# Altium PCB MCU063B_PCB.PcbDoc (part 8 of 9)
Units mil, origin at the board's own origin, x right, y up, seen from the top; angles counter-clockwise.
Board outline 4165.01 x 2371.03 mil, 10 copper layers (Top Layer, Internal Plane 2, Signal Layer 3, Signal Layer 4, Internal Plane 5, Internal Plane 6, Signal Layer 7, Signal Layer 8, Internal Plane 9, Bottom), stack 59.9 mil thick; 440 components, 394 nets, 1760 pads, 1251 vias.
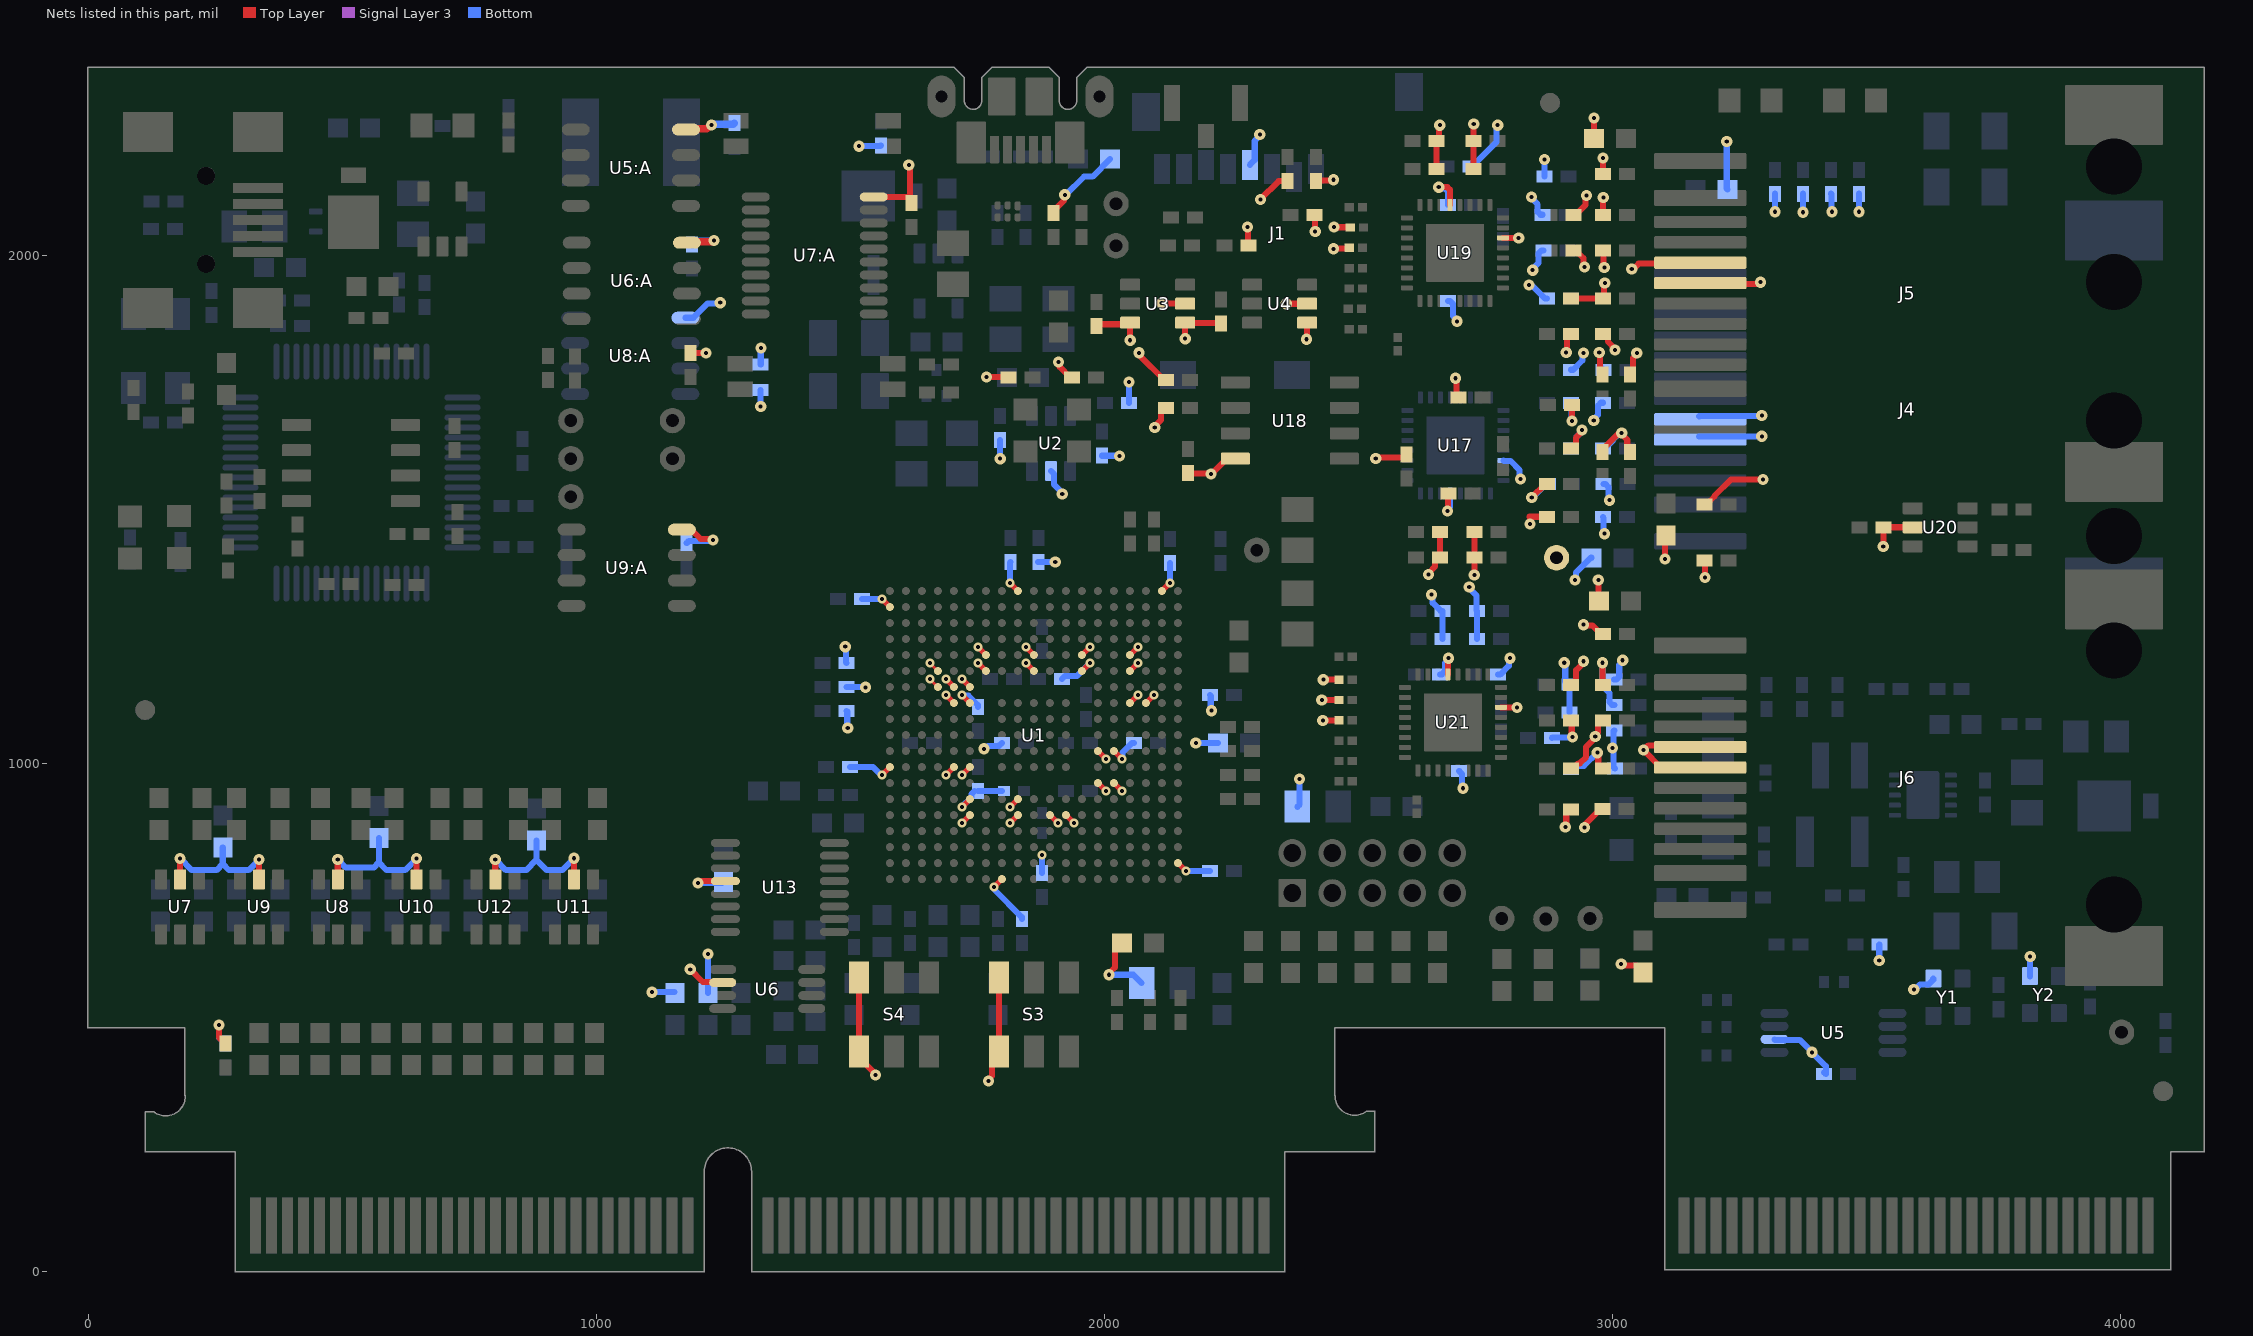
[diagram p16: the nets of this part, all layers, seen from the top]

## Via types
v1: diameter 22, hole 8, Top Layer to Bottom, tented both sides, 895 vias
v2: diameter 18, hole 8, Top Layer to Bottom, tented both sides, 334 vias
v3: diameter 19.68, hole 7.87, Top Layer to Bottom, tented both sides, 19 vias
v4: diameter 18, hole 7.87, Top Layer to Bottom, tented both sides, 1 vias
v5: diameter 18/18/18/18/18/18 (per signal layer), hole 8, Top Layer to Bottom, tented both sides, 1 vias
v6: diameter 22/22/22/22/22/22 (per signal layer), hole 8, Top Layer to Bottom, tented both sides, 1 vias

## Nets (pads, with @x,y where several pads share a name; then routed paths per layer and width w, separated by ;. In a path a pad name is that pad's centre, name@x,y a point inside that pad or via, vN(x,y) a via of type N, cw(c..) or ccw(c..) an arc to the next point about the centre after c; other vN are vias at no path point) (continued)
VDD_3V3: C1.1 C2.1 C4.1 C6.1 C7.1 C21:A.1 C23:A.1 C24:A.2 C26:A.1 C28:A.1 C53.2 C65.1 C66.1 C67.1 C68.1 C69.1 C70.1 C71.1 C72.1 C73.1 C74.1 C75.1 C76.1 C77.1 C78.1 C79.1 C80.1 C87.1 C88.1 C89.1 C90.1 C91.1 C92.1 C93.1 C94.1 C95.1 C96.1 C97.2 C98.2 C99.2 C100.2 C101.1 C102.1 C104.1 C105.1 C106.1 C107.1 C108.1 C109.1 C110.1 C111.1 C112.1 C113.1 C114.2 C115.1 C116.2 C117.2 C118.2 C119.1 C120.1 C122.1 C123.1 C124.1 C125.1 C126.1 C127.1 C128.1 C129.1 C130.1 C131.1 C132.2 C133.2 C134.1 C135.2 C136.2 C137.1 C138.1 J1.4 J4.5 J4.6 J5.5 J5.6 J6.5 J6.6 L3.2 R1.2 R2.1 R9.1 R10.1 R11.2 R12.2 R13.2 R14.2 R15:A.2 R20.2 R26.2 R31.1 R32.2 R44.1 R104.1 R107.2 R108.2 R110.2 R111.2 R112.1 R113.2 R114.2 R115.2 R116.1 R117.1 R118.2 R119.2 R120.2 R121.2 R122.2 R123.2 R125.2 R126.2 R127.1 R128.2 R129.1 R130.1 R137.2 R138.1 R139.2 R140.2 R141.2 R142.1 R145.2 R146.2 R147.2 R149.2 R150.2 R151.2 R152.1 R153.1 R154.1 R160.2 R161.1 TP8.1 U1.A9 U1.A18 U1.B1 U1.E7 U1.E10 U1.E13 U1.E16 U1.F4 U1.F7 U1.F10 U1.F13 U1.F16 U1.G4 U1.G5 U1.G6 U1.H5 U1.H6 U1.H16 U1.H17 U1.L14 U1.L15 U1.M1 U1.M5 U1.M6 U1.N14 U1.N15 U1.P9 U1.R9 U1.R11 U1.R12 U1.V19 U1.W8 U2.5 U3.3 U3.4 U3.5 U4.4 U4.5 U5.6 U5:A.8 U6:A.8 U7:A.20 U8:A.1 U9:A.8 U17.14 U17.21 U18.8 U19.14 U19.21 U20.5 U21.14 U21.21 Y1.4 Y2.4 | length 8904.9
  Top Layer w6.25: v2(1656.7,1166.34) U1.G4@1672.44,1150.59 ; v2(1656.7,1197.83) U1.F4@1672.44,1182.08
  Top Layer w10: v2(1562.21,977.36) U1.M1@1577.96,993.11 ; v2(1562.21,1323.82) U1.B1@1577.96,1308.07 ; v2(1688.19,977.36) U1.M5@1703.94,993.11 ; v2(1688.19,1134.84) U1.H5@1703.94,1119.09 ; v2(1688.19,1166.34) U1.G5@1703.94,1150.59 ; v2(1719.69,977.36) U1.M6@1735.44,993.11 ; v2(1719.69,1134.84) U1.H6@1735.44,1119.09 ; v2(1719.69,1166.34) U1.G6@1735.44,1150.59 ; v2(1751.18,1197.83) U1.F7@1766.93,1182.08 ; v2(1751.18,1229.33) U1.E7@1766.93,1213.58 ; v2(1782.68,756.89) U1.W8@1798.43,772.63 ; v2(1814.18,882.87) U1.R9@1829.92,898.62 ; v2(1814.18,914.37) U1.P9@1829.92,930.12 ; v2(1814.18,1355.31) U1.A9@1829.92,1339.56 ; v2(1845.67,1197.83) U1.F10@1861.42,1182.08 ; v2(1845.67,1229.33) U1.E10@1861.42,1213.58 ; U1.R11@1892.92,898.62 v2(1908.66,882.87) ; U1.R12@1924.41,898.62 v2(1940.16,882.87) ; U1.F13@1955.91,1182.08 v2(1971.66,1197.83) ; U1.E13@1955.91,1213.58 v2(1971.66,1229.33) ; U1.N14@1987.4,961.61 v2(2003.15,945.86) ; U1.L14@1987.4,1024.6 v2(2003.15,1008.86) ; U1.N15@2018.9,961.61 v2(2034.65,945.86) ; U1.L15@2018.9,1024.6 v2(2034.65,1008.86) ; U1.H16@2050.4,1119.09 v2(2066.14,1134.84) ; U1.F16@2050.4,1182.08 v2(2066.14,1197.83) ; U1.E16@2050.4,1213.58 v2(2066.14,1229.33) ; U1.H17@2081.89,1119.09 v2(2097.64,1134.84) ; U1.V19@2144.88,804.13 v2(2160.63,788.38)
  Top Layer w12: v1(257.21,485.31) 257.21,461.42 R1.2@270.01,448.62 ; U9:A.8@1168.51,1460.32 1187.34,1460.32 1205.75,1441.91 1228.1,1441.91 v1(1230.01,1440) ; C26:A.1@1185.03,1808.47 1185.26,1808.24 1215.77,1808.24 v1(1216.01,1808) ; U7:A.20@1546.15,2115.16 1612.41,2115.16 C24:A.2@1617.12,2110.45 ; v1(1615.21,2178.31) 1617.12,2176.4 C24:A.2@1617.12,2110.45 ; v1(1768.01,1761) 1768.51,1760.5 1810.89,1760.5 R9.1@1811.39,1760 ; R26.2@1900.01,2083.62 1900.01,2087.56 1920.29,2107.84 1920.29,2117.4 v1(1922.21,2119.31) ; v1(1910.01,1790) 1911.92,1788.09 1911.92,1780.53 1932.45,1760 R10.1@1936.39,1760 ; C4.1@1985.01,1861.38 1988.12,1864.49 2047.77,1864.49 U3.3@2050.88,1867.6 v1(2050.88,1833.13) ; v1(2068.21,1808.31) 2070.12,1806.4 2070.12,1802.33 2117.45,1755 R120.2@2121.39,1755 ; v1(2099.21,1661.31) 2099.21,1664.02 2111.64,1676.45 2111.64,1694.19 2117.45,1700 R121.2@2121.39,1700 ; v1(2113.01,1906) 2113.51,1905.5 2158.64,1905.5 U3.5@2159.14,1905 ; U1.A18@2113.39,1339.56 v2(2129.14,1355.31) ; v1(2159.14,1836.13) U3.4@2159.14,1867.6 2159.75,1866.99 2229.4,1866.99 C6.1@2230.01,1866.38 ; C115.1@2165.01,1571.38 2165.7,1570.69 2209.32,1570.69 v1(2210.01,1570) 2210.99,1570 2240.99,1600 U18.8@2257.73,1600 ; v1(2282.01,2056) 2282.82,2055.19 2282.82,2020.81 R20.2@2283.63,2020 ; v1(2307.21,2110.31) 2343.27,2146.38 R13.2@2360.01,2146.38 R13.2@2360.01,2142.44 ; v1(2358.01,1905) U4.5@2399.14,1905 ; v1(2398.01,1835) 2398.58,1835.57 2398.58,1867.03 U4.4@2399.14,1867.6 ; C2.1@2413.63,2080 2414.32,2079.31 2414.32,2047.69 v1(2415.01,2047) ; R14.2@2416.26,2146.69 2417.42,2147.85 2449.85,2147.85 v1(2451.01,2149) ; v1(2428.01,1125) R147.2@2462.02,1125 ; v1(2430.01,1085) R146.2@2462.02,1085 ; v1(2431.01,1165) R145.2@2462.02,1165 ; v1(2451.01,2013) 2452.01,2014 2481.02,2014 R122.2@2482.02,2015 ; v1(2452.01,2056) 2452.51,2055.5 2483.53,2055.5 R123.2@2484.03,2055 ; v1(2534.21,1600.31) 2536.12,1602.23 2589.2,1602.23 2595.01,1608.04 R114.2@2595.01,1608.62 ; v1(2638.21,1372.31) 2638.21,1375.02 2651.08,1387.89 2651.08,1399.5 2656.89,1405.31 C91.1@2660.83,1405.31 C94.1@2660.83,1455.31 ; C111.1@2653.63,2170 C108.1@2653.63,2225 2658.29,2229.66 2658.29,2254.4 v1(2660.21,2256.31) ; v1(2658.21,2134.31) 2675.21,2134.31 2680.17,2129.35 U19.21@2680.17,2099.49 ; v1(2675.21,1497.31) 2676.25,1498.35 2676.25,1530.53 R112.1@2677.29,1531.57 ; U21.21@2676.23,1175.55 2676.72,1176.04 2676.72,1206.82 v1(2677.21,1207.31) ; v1(2691.21,1758.31) 2693.12,1756.4 2693.12,1724.41 R113.2@2696.98,1720.55 ; C109.1@2726.39,2170 C110.1@2726.39,2225 2726.7,2225.31 2726.7,2258.69 v1(2727.01,2259) ; v1(2728.21,1371.31) 2728.4,1371.5 2728.4,1405.12 C93.1@2728.58,1405.31 C92.1@2728.58,1455.31 ; U21.14@2780.56,1110.59 2780.7,1110.45 2812.07,1110.45 v1(2812.21,1110.31) ; U19.14@2784.5,2034.53 v1(2815.48,2034.53) ; v1(2837.5,1471.4) 2837.5,1485.02 2836.86,1485.66 2870.73,1485.66 C90.1@2871.39,1485 ; v1(2841.21,1523.31) 2841.21,1523.76 2867.45,1550 C87.1@2871.39,1550 ; v1(2907.21,875.31) 2909.12,877.23 2909.12,904.19 2914.93,910 C138.1@2918.63,910 ; v1(2909.01,1809) 2910.92,1810.91 2910.92,1839.19 2916.73,1845 C120.1@2918.63,1845 ; C137.1@2918.63,990 2922.57,990 2932.88,1000.31 2935.91,1000.31 2948.21,1012.61 2948.21,1032.61 2966.21,1050.61 v1(2966.21,1053.31) 2966.21,1056.02 2971.64,1061.45 2971.64,1079.19 2977.45,1085 R140.2@2981.39,1085 ; C131.1@2918.63,1085 2919.92,1083.71 2919.92,1053.6 v1(2921.21,1052.31) ; C130.1@2918.63,1155 2922.57,1155 2928.38,1160.81 2928.38,1183.78 2943.21,1198.61 v1(2943.21,1201.31) ; C88.1@2918.63,1620 2922.57,1620 2928.38,1625.81 2928.38,1641.78 2940.21,1653.61 v1(2940.21,1656.31) ; C119.1@2918.63,1915 R125.2@2981.39,1915 2983.2,1916.81 2983.2,1944.19 v1(2985.01,1946) ; v1(2920.21,1674.31) 2920.52,1674.62 2920.52,1705 C89.1@2920.83,1705.31 ; C113.1@2923.63,2010 2927.57,2010 2943.1,1994.47 2943.1,1978.91 v1(2945.01,1977) ; C112.1@2923.63,2080 2927.57,2080 2947.1,2099.53 2947.1,2116.09 v1(2949.01,2118) ; v1(2943.21,1273.31) 2945.12,1271.4 2961.05,1271.4 2977.45,1255 R160.2@2981.39,1255 ; v1(2945.21,874.31) 2947.12,876.23 2947.12,881.3 2976.58,910.75 R150.2@2980.52,910.75 ; R138.1@2963.51,2230 v1(2963.51,2270.5) ; v1(2970.21,1021.31) 2972.12,1019.4 2972.12,995.81 2977.93,990 R149.2@2981.39,990 ; v1(2972.21,1361.31) 2972.21,1321.31 R161.1@2973.51,1320 ; v1(2974.01,1809) 2975.92,1807.09 2975.92,1769.36 C100.2@2980.01,1765.28 ; C98.2@2980.01,1613.62 2980.01,1617.56 3011.35,1648.9 3016.29,1648.9 v1(3018.21,1650.81) 3018.21,1648.11 3029.2,1637.11 3029.2,1619.43 C99.2@3035.01,1613.62 ; v1(2980.21,1198.31) 2980.8,1197.72 2980.8,1155.59 R139.2@2981.39,1155 ; R126.2@2981.39,1845 2985.32,1845 2991.14,1839.19 2991.14,1830.58 3005.01,1816.71 v1(3005.01,1814) ; R119.2@2981.39,2010 2982.7,2008.69 2982.7,1977.31 v1(2984.01,1976) ; R118.2@2981.39,2080 2981.7,2080.31 2981.7,2113.69 v1(2982.01,2114) ; R137.2@2981.39,2160 v1(2981.39,2191.62) ; v1(3017.21,605.31) 3019.91,605.31 3023.04,602.19 3047.31,602.19 3060.01,589.49 R153.1@3060.01,588.5 ; C97.2@3035.01,1765.28 3040.82,1771.09 3040.82,1798.11 3048.01,1805.29 v1(3048.01,1808) ; v1(3038.01,1973) 3040.72,1973 3051.65,1983.93 J5.5@3170.84,1983.93 ; v1(3103.21,1402.31) 3103.21,1446.7 R129.1@3105.01,1448.5 ; J6.5@3166.28,1035.8 3070.7,1035.8 v1(3061.21,1026.31) 3095.32,992.2 J6.6@3172.83,992.2 ; J5.6@3166.53,1948.09 3170.84,1943.78 3287.67,1943.78 v1(3291.21,1947.31) ; R141.2@3181.39,1400 3181.8,1399.59 3181.8,1366.72 v1(3182.21,1366.31) ; R142.1@3181.39,1510 3185.32,1510 3200.88,1525.56 3200.88,1526.78 3233.41,1559.31 v1(3296.21,1559.31) ; v1(3533.01,1427) 3533.32,1427.31 3533.32,1464.69 C134.1@3533.63,1465 U20.5@3590.88,1465 ; C24:A.2@1617.12,2110.45 1620.01,2107.56 C24:A.2@1620.01,2103.62 1617.12,2106.51 C24:A.2@1617.12,2110.45
  Top Layer w15: U5:A.8@1175.47,2247.63 1177.12,2249.28 1217.58,2249.28 1225.07,2256.77 v1(1226.96,2256.77) ; U6:A.8@1177.29,2025 1178.94,2026.65 1227.41,2026.65 1229.9,2029.13 v1(1231.79,2029.13)
  Bottom w12: v1(257.21,485.31) 257.21,461.42 R2.1@270.01,448.62 ; U8:A.1@1175.34,1877.37 1191.03,1877.37 1218.75,1905.09 1242.1,1905.09 v1(1244.01,1907) ; C28:A.1@1178.04,1433.94 1182.19,1438.09 1228.1,1438.09 v1(1230.01,1440) ; v1(1323.63,1702.62) R31.1@1323.63,1735 ; R32.2@1323.63,1785 1323.82,1785.19 1323.82,1817.81 v1(1324.01,1818) ; v1(1490.01,1230) 1491.42,1228.59 1491.42,1199.25 C74.1@1492.84,1197.83 ; C80.1@1492.84,1103.34 1493.92,1102.26 1493.92,1071.09 v1(1495.01,1070) ; C78.1@1492.84,1150.59 1493.13,1150.29 1529.72,1150.29 v1(1530.01,1150) ; C65.1@1499.21,993.11 1544.84,993.11 1560.58,977.36 v2(1562.21,977.36) ; v1(1517.01,2215) 1517.7,2215.69 1559.32,2215.69 R15:A.2@1560.01,2216.38 ; C71.1@1522.84,1323.82 v2(1562.21,1323.82) ; v2(1719.69,1134.84) 1720.84,1133.69 1732.65,1133.69 1751.18,1115.15 C73.1@1751.18,1111.22 ; v1(1763.01,1029) 1765.72,1029 1771.26,1034.54 1792.62,1034.54 C79.1@1798.43,1040.35 ; v2(1782.68,756.89) 1783.83,755.74 1783.83,751.8 1837.8,697.83 C66.1@1837.8,693.89 ; v1(1795.01,1600) R11.2@1795.01,1636.38 ; v2(1814.18,1355.31) 1814.59,1355.73 1814.59,1395.96 C70.1@1815.01,1396.38 ; C76.1@1870.01,1396.38 v1(1903.39,1396.38) ; C69.1@1877.17,785 v2(1877.17,819.88) ; U2.5@1895.01,1575.87 1900.82,1570.06 1900.82,1549.4 1917.21,1533.02 v1(1917.21,1530.31) ; C75.1@1916.54,1166.34 1922.35,1172.15 1945.97,1172.15 v2(1971.66,1197.83) ; v1(1922.21,2119.31) 1924.31,2119.31 1960,2155 1961.2,2155 1961.51,2155.31 1976.81,2155.31 R104.1@2011.5,2190 ; C1.1@1995.01,1606.38 1995.7,1605.69 2029.32,1605.69 v1(2030.01,1605) ; v2(2034.65,1008.86) 2035.8,1010 2035.8,1021.81 2054.33,1040.35 C68.1@2058.27,1040.35 ; R12.2@2048.63,1710 v1(2048.63,1750.62) ; v2(2129.14,1355.31) C72.1@2129.14,1394.68 ; v2(2160.63,788.38) C67.1@2207.88,788.38 ; v1(2180.01,1040.7) 2223.27,1040.7 C53.2@2223.62,1040.35 ; C77.1@2207.88,1134.84 2209.44,1133.27 2209.44,1105.57 v1(2211.01,1104) ; J1.4@2286.34,2178.19 2296.09,2187.93 2296.09,2225.37 2306.01,2235.29 v1(2306.01,2238) ; L3.2@2380.01,915 2384.21,919.2 v1(2384.21,969.31) ; v1(2644.21,1332.31) 2646.12,1330.4 2646.12,1316.08 2661.89,1300.31 C126.1@2665.83,1300.31 C129.1@2665.83,1245.31 ; v1@2658.21,2131.61 2671.33,2131.61 2676.23,2126.7 R127.1@2676.23,2099.49 ; R154.1@2660.48,1175.55 2664.42,1175.55 2670.23,1181.36 2670.23,1197.63 2677.21,1204.61 v1(2677.21,1207.31) ; v1(2675.21,1497.31) 2675.21,1500.02 2680.15,1504.96 2680.15,1530.5 U17.21@2681.23,1531.57 ; R128.2@2676.23,1910.51 2680.17,1910.51 2685.98,1904.7 2685.98,1881.25 2694.21,1873.02 v1(2694.21,1870.31) ; R151.2@2697.77,985 2698.48,985 2704.29,979.19 2704.29,953.23 v1(2706.21,951.31) ; v1(2718.21,1347.31) 2718.21,1344.61 2732.69,1330.12 2732.69,1301.21 C127.1@2733.58,1300.31 C128.1@2733.58,1245.31 ; R130.1@2720.83,2175.31 2724.21,2175.31 2772.21,2223.31 2772.21,2256.31 v1(2774.21,2256.31) ; R152.1@2775.01,1175 2778.95,1175 2796.29,1192.35 2796.29,1205.4 v1(2798.21,1207.31) ; U17.14@2785.56,1596.54 2786.64,1595.46 2799.5,1595.46 2817.29,1577.67 2817.29,1562.23 v1(2819.21,1560.31) ; v1(2836.01,1942) 2837.92,1940.09 2842.36,1940.09 2867.45,1915 C107.1@2871.39,1915 ; v1(2841.01,2115) 2841.01,2112.29 2852.84,2100.46 2852.84,2085.81 2858.65,2080 C104.1@2862.59,2080 ; v1(2841.21,1523.31) 2842.14,1523.31 2868.83,1550 C96.1@2872.77,1550 ; v1(2843.01,1971) 2843.01,1973.71 2854.83,1985.53 2854.83,2004.19 2860.64,2010 C105.1@2864.58,2010 ; C106.1@2866.39,2155 v1(2866.39,2188.62) ; C123.1@2880.83,1050.31 2881.83,1051.31 2920.21,1051.31 v1(2921.21,1052.31) ; v1(2905.21,1198.31) 2907.12,1196.4 2907.12,1161.12 2912.93,1155.31 C125.1@2915.83,1155.31 C124.1@2915.83,1100.31 ; C95.1@2918.63,1620 2922.57,1620 2928.38,1625.81 2928.38,1641.78 2940.21,1653.61 v1(2940.21,1656.31) ; C102.1@2918.63,1710 2919.42,1709.21 2919.42,1675.1 v1(2920.21,1674.31) ; C101.1@2918.63,1775 2922.57,1775 2941.1,1793.53 2941.1,1806.09 v1(2943.01,1808) ; C122.1@2918.83,989.31 2924.64,995.12 2944.02,995.12 v1(2970.21,1021.31) ; v1(2926.21,1361.31) 2928.12,1363.23 2928.12,1375.59 2957.53,1405 R117.1@2958.51,1405 ; v1(2963.21,1675.31) 2963.21,1678.02 2971.64,1686.45 2971.64,1704.19 2977.45,1710 R110.2@2981.39,1710 ; v1(2974.01,1809) 2975.92,1807.09 2975.92,1780.81 2981.73,1775 R111.2@2982.77,1775 ; v1(2980.21,1198.31) 2980.21,1152.65 2993.84,1139.02 2993.84,1121.12 2999.65,1115.31 C132.2@3003.58,1115.31 ; R115.2@2981.39,1485 2982.8,1483.59 2982.8,1453.72 v1(2984.21,1452.31) ; R108.2@2981.39,1620 2985.32,1620 3000.88,1635.56 3000.88,1636.78 3013,1648.9 3016.29,1648.9 v1(3018.21,1650.81) ; R107.2@2982.77,1550 2986.48,1550 2992.29,1544.19 2992.29,1520.23 v1(2994.21,1518.31) ; C133.2@3003.58,1065.31 3001.9,1063.62 3001.9,1031.38 3003.58,1029.69 3002.12,1028.23 3002.12,992.89 C135.2@3005.01,990 ; C136.2@3003.58,1165.31 3007.52,1165.31 3013.33,1171.12 3013.33,1193.73 3020.21,1200.61 v1(3020.21,1203.31) ; J4.5@3170.84,1643.39 3171.14,1643.7 3293.71,1643.7 v1(3294.01,1644) ; J4.6@3170.84,1683.55 3171.56,1684.28 3293.28,1684.28 v1(3294.01,1685) ; v1(3225.01,2224) 3225.01,2131.5 R116.1@3226.51,2130 ; U5.6@3318.87,457.2 3319.96,456.11 3368.41,456.11 3420.21,404.3 3420.21,388.6 C7.1@3416.62,392.2 ; v1(3320.01,2086) C114.2@3320.01,2121.38 ; v1(3375.01,2085) C116.2@3375.01,2121.38 ; C117.2@3430.01,2121.38 3431.01,2120.38 3431.01,2087 v1(3432.01,2086) ; v1(3485.01,2086) C118.2@3485.01,2121.38 ; v1@3524.42,611.52 v1(3525.21,612.31) 3525.21,643.38 R44.1@3525.33,643.5 ; v1(3593.21,555.31) 3595.91,555.31 3605.3,564.7 3621.72,564.7 3631.47,574.45 Y1.4@3631.47,576.42 ; Y2.4@3821.47,581.42 3821.84,581.79 3821.84,619.94 v1(3822.21,620.31)
  Bottom w15: C23:A.1@1188.79,2021.38 1188.79,2023.48 1193.1,2027.8 1230.45,2027.8 v1(1231.79,2029.13) ; v1(1226.96,2256.77) 1228.3,2258.11 1269.68,2258.11 C21:A.1@1271.96,2260.39
  other v1: 3393,431.61 3000.21,1030.31
VDDA_3V3: C8.1 C9.1 C10.1 C13.1 C14.1 C44.2 C61.1 C62.1 C64.2 L4.2 S3.1 S3.4 S4.1 S4.4 U1.P6 U1.R6 U6.2 U7.5 U8.5 U9.5 U10.5 U11.5 U12.5 U13.4 | length 1910.2
  Top Layer w10: v2(1719.69,882.87) U1.R6@1735.44,898.62 ; v2(1719.69,914.37) U1.P6@1735.44,930.12
  Top Layer w12: U7.5@181.02,772.01 v1(181.02,813.12) ; U9.5@336.42,772.01 v1(336.42,811.1) ; v1(491.21,811.31) 491.21,772.22 U8.5@491.42,772.01 ; U10.5@646.42,772.01 v1(646.42,813.1) ; v1(801.21,811.31) 801.21,772.22 U12.5@801.42,772.01 ; U11.5@956.42,772.01 v1(956.42,813.52) ; v1(1185.01,595) 1210.02,569.99 1247.73,569.99 U6.2@1248.82,568.89 ; v1@1203.28,768.27 1204.63,766.91 1206.31,768.6 U13.4@1254.14,768.6 ; S4.4@1517.52,578.93 1517.52,421.45 1549.31,389.67 v1(1549.31,387) ; v1(1772.21,375.31) 1772.21,378.02 1778.84,384.65 1778.84,419.58 S3.1@1792.52,433.26 S3.4@1792.52,578.93 ; v1(2009.21,584.31) 2009.21,587.02 2020.96,598.77 2020.96,633.95 2033.66,646.65 C64.2@2034.65,646.65
  Signal Layer 3 w12: v1@800.21,810.31 v1(801.21,811.31)
  Bottom w12: v1(181.02,813.12) 203.83,790.31 252.68,790.31 264.94,802.58 ; C8.1@264.94,834.82 264.94,802.58 ; v1(336.42,811.1) 315.63,790.31 277.21,790.31 264.94,802.58 ; v1(491.21,811.31) 507.21,795.31 562.21,795.31 572.21,805.31 ; C9.1@572.21,853.82 572.21,805.31 ; v1(646.42,813.1) 623.63,790.31 587.21,790.31 572.21,805.31 ; v1(801.21,811.31) 822.21,790.31 862.21,790.31 882.21,810.31 ; C10.1@882.21,848.82 882.21,810.31 ; v1(956.42,813.52) 933.21,790.31 902.21,790.31 882.21,810.31 ; v1(1110.01,550) C14.1@1153.54,550 ; v1(1200.01,765) 1247.88,765 C44.2@1250.01,767.12 ; C13.1@1219.92,548.62 1220.01,548.71 v1(1220.01,625) ; v2(1719.69,914.37) 1719.69,914.55 1738.69,933.55 1738.69,940.31 C61.1@1744.24,945.86 ; C61.1@1751.18,945.86 C62.1@1798.43,945.86 ; v1(2009.21,584.31) 2056.99,584.31 L4.2@2073.39,567.91
pads on no net: EC1.13 EC1.16 EC1.29 EC1.32 EC1.41 EC1.43 EC1.44 EC1.66 EC1.113 EC1.114 EC1.115 EC1.116 EC1.117 EC2.136 EC2.171 EC2.172 EC2.173 EC2.174 EC2.175 EC2.176 EC2.177 FID1.1 FID2.1 FID3.1 FID4.1 FID5.1 FID6.1 J1:A.4 J1:A.ALIGN1 J1:A.ALIGN2 J2.9 J4.9 J4.ALIGN1 J4.ALIGN2 J5.9 J5.ALIGN1 J5.ALIGN2 J6.9 J6.ALIGN1 J6.ALIGN2 LBL1.0 U1.H4 U1.J18 U1.J19 U1.V13 U1.W12 U2:A.22 U2:A.23 U2:A.26 U2:A.27 U2:A.29 U2:A.30 U2:A.33 U2:A.34 U2:A.43 U2:A.44 U2:A.45 U2:A.46 U2:A.48 U2:A.52 U2:A.53 U2:A.57 U2:A.58 U2:A.59 U3:A.2 U4:A.7 U6.1 U6.3 U6.7 U6.8 U7:A.3 U7:A.5 U7:A.7 U9:A.6 U13.8 U13.9 U16.5 U17.13 U17.15 U17.22 U17.33@2662.14,1597.13 U17.33@2662.14,1655 U17.33@2720.01,1597.13 U17.33@2720.01,1655 U19.13 U19.15 U19.22 U19.33@2661.07,1976.06 U19.33@2661.07,2033.94 U19.33@2718.95,1976.06 U19.33@2718.95,2033.94 U21.13 U21.15 U21.22 U21.33@2657.14,1052.13 U21.33@2657.14,1110 U21.33@2715.01,1052.13 U21.33@2715.01,1110
copper on no net:
  other v1: 752.21,345.31 812.21,345.31

## Polygon pours and split planes (outlines as drawn)
IN_5V0 on Bottom "BOTTOM_IN_5V0_P000" (solid, remove dead copper, pour order 0): 3704,940 3712,940 3880.01,940 3880.01,845 4035.01,845 4035.01,1000 3956,1000 3956,1150 3870.01,1150 3870.01,1187 3665.01,1187 3665.01,1120 3805.01,1120 3805.01,1040 3704,1040
1V2 on Bottom "BOTTOM_1V2_P002" (solid, remove dead copper, pour order 2): 3115.01,1070 3115.01,970 3345.01,970 3345.01,935 3450.01,935 3450.01,1075 3405.01,1075 3405.01,1130 3270.01,1130 3270.01,1070
3V3 on Bottom "BOTTOM_3V3_P004" (solid, remove dead copper, pour order 4): 3085.01,880 3160.01,880 3160.01,870 3255.01,870 3255.01,835 3324,835 3324,790 3330.01,790 3330.01,705 3455.01,705 3455.01,780 3435.01,780 3435.01,920 3335.01,920 3335.01,965 3330.01,960 3085.01,960
no net on Signal Layer 4 "Signal Layer 4-No Net" (solid, pour order 10): 2218.21,780.31
no net on Signal Layer 4 "Signal Layer 4-No Net 1" (solid, pour order 8): 2207.88,788.38
no net on Signal Layer 4 "Signal Layer 4-No Net 2" (solid, pour order 6): 2207.88,788.38
GND on Internal Plane 2 (split plane): 245 vertices, not listed, extent 19.58,19.58 4144.4,2350.42
EMU_GND on Internal Plane 2 (split plane): 1000.44,1300.43 950.01,1250 19.58,1250 19.58,2350.41 1000.44,2350.41
GND on Internal Plane 2 (split plane): 1928.01,2267.42
no net on Internal Plane 2 (split plane): 1928,2267.42 1927.92,2267.43